# KiCad board B1_panel.kicad_pcb (continued)
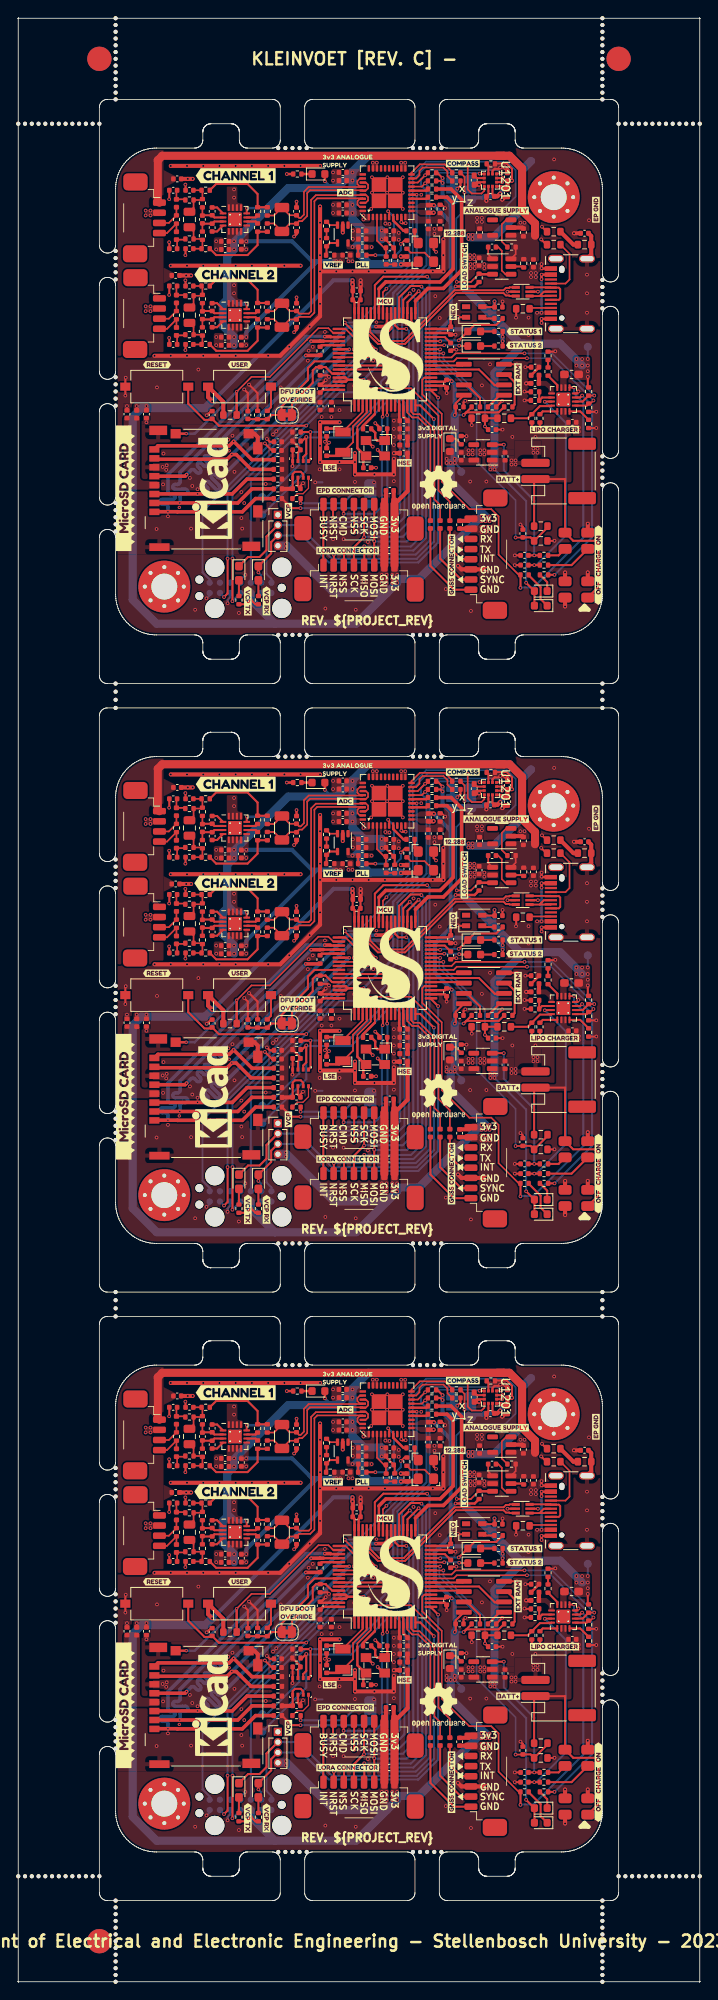
[diagram p0: board, top side]
## Routing (per net, layer and track width the routed paths; a pad name or vN(x,y) marks a point on that pad's centre or on a via; arc(x,y) is an arc through that point) (continued)
Board1_0-/ADC_Interface/ADC_PORT_1_SIG_P: length 2.3
  Top w0.2: C501.1 19.5,220.72 FB501.2 20.5,219.69 R702.2
Board1_0-/ADC_Interface/ADC_PORT_2_SIG_N: length 2.3
  Top w0.2: R801#2.2 20.5,202.91 FB602#2.2 19.58,202.84 C602#3.2
Board1_0-/ADC_Interface/ADC_PORT_2_SIG_P: length 2.3
  Top w0.2: R802.2 20.5,207.88 FB601#3.2 19.5,208.92 C601#2.1
Board1_0-/ADC_Interface/ADC_~{RST}: length 9.2
  Top w0.2: v1(45.59,218.21) 45.72,218.09 U401#2.6
  Top w0.25: R413.1 v1(44.02,212.8)
  Bottom w0.25: v1(45.59,218.21) 46.3,217.5 46.3,213.9 45.2,212.8 v1(44.02,212.8)
Board1_0-/ADC_Interface/BCLK: length 2.1
  Top w0.3: U401#2.16 48.47,220.75 50.29,220.75 R409#3.2
Board1_0-/ADC_Interface/CLK: length 2.6
  Top w0.3: U401#2.7 46.22,217.07 47.48,215.8 R405#3.1
Board1_0-/ADC_Interface/CLK_12.288: length 1.7
  Top w0.3: X401#2.3 48.86,214.74 R405#3.2
Board1_0-/ADC_Interface/FB: length 1.5
  Top w0.2: U402.3 38.41,216.5 R401.2
Board1_0-/ADC_Interface/FB_MID: length 1
  Top w0.2: R401.1 R402.2
Board1_0-/ADC_Interface/PLL: length 5.5
  Top w0.2: C413.1 45.32,212.66 C414.1 45.11,213.7 44.22,214.59 U401#2.3
Board1_0-/ADC_Interface/PLL_MID: length 1.1
  Top w0.2: C413.2 46.37,211.67 R414.1
Board1_0-/ADC_Interface/SDATA: length 2.1
  Top w0.3: R411#3.2 50.29,219.75 48.47,219.75 U401#2.14
Board1_0-/ADC_Interface/Sensor_Conn_1/SIG_CONN_N: length 3.6
  Top w0.2: FB502.1 R501.2 18.34,215.53 J501#3.1
Board1_0-/ADC_Interface/Sensor_Conn_1/SIG_CONN_P: length 3.5
  Top w0.2: FB501.1 R501.1 18.56,216.78 J501#3.2
Board1_0-/ADC_Interface/Sensor_Conn_2/SIG_CONN_N: length 3.6
  Top w0.2: FB602#2.1 R601.2 18.34,203.72 J601#2.1
Board1_0-/ADC_Interface/Sensor_Conn_2/SIG_CONN_P: length 3.5
  Top w0.2: FB601#3.1 R601.1 18.56,204.97 J601#2.2
Board1_0-/ADC_Interface/VCM: length 27.4
  Bottom w0.5: v1(28.1,214.51) 33.74,214.51 36.2,212.05 v1(39.2,212.05) 36.85,212.05 28.1,203.3 v1(28.1,202.71)
  vias: v1(39.7,212.05)
Board1_0-/ADC_Interface/VREF_BUFF: length 2.6
  Top w0.25: U402.4 38.41,214.3 R402.1 38,212.86 R406#3.2
Board1_0-/ADC_SAI_BCLK: length 21.2
  Top w0.3: U101#3.33 48.95,207.15
  Top w0.44: R409#3.1 53.35,220.95 54.65,219.65 54.65,210.95 52.4,208.7 50.5,208.7 48.95,207.15
Board1_0-/ADC_SAI_FS: length 30.5
  Top w0.3: 40.6,197.45 40.36,197.21 U101#3.62 ; 40.6,197.45 40.34,197.71 U101#3.61 ; 40.6,197.45 42.54,197.45 v2(42.57,197.47) ; U401#2.15 v2(49.12,220.25)
  Bottom w0.3: v2(42.57,197.47) 42.57,197.48 46.2,201.11 46.2,208.11 49.1,211.01 49.1,220.22 v2(49.12,220.25)
Board1_0-/ADC_SAI_SD_B: length 23.7
  Top w0.3: 44.45,208.65 U101#3.42
  Top w0.44: 44.45,208.65 45.3,209.5 52,209.5 53.6,211.1 53.6,219.2 52.85,219.95 R411#3.1
Board1_0-/BATT_~{CHG}: length 63.4
  Top w0.2: U101#3.20 50.06,197.71 49.8,197.45 49.8,195.65 52.2,193.25 52.2,184.9 55.6,181.5 58.3,181.5 59.2,180.6 59.2,175.89 61.69,173.4 R908#3.1
  Top w0.25: U901#3.9 67.97,196.5 v1(68.5,196.5) ; R908#3.1 61.9,173.4 v1(61.9,171.8)
  Bottom w0.25: v1(61.9,171.8) 61.95,171.85 63.5,171.85 69.65,178 69.65,194.61 68.5,195.76 v1(68.5,196.5)
Board1_0-/BOOT0: length 10.3
  Top w0.25: U101#3.60 38.68,198.21 37.9,198.99 37.9,199 37.89,199.01 R101.1 36.71,199.01 36.3,198.6 36.3,197.08 33.75,194.53 JP101.1
Board1_0-/CHARGE_EN1: length 25.1
  Top w0.2: v1(71,195.5) 70.31,195.5 R912.1 ; U101#3.25 50.88,200.2 53.41,200.2 53.91,200.7 v1(62.4,200.7)
  Top w0.25: R912.1 69.57,194.76 U901#3.6
  Bottom w0.2: v1(62.4,200.7) 65.8,200.7 v1(71,195.5)
Board1_0-/CHARGE_EN2: length 24.8
  Top w0.2: U101#3.24 53.67,199.71 54.06,200.1 v1(62.7,200.1) ; v1(70.9,194.89) 70.52,194.51 R917#3.1
  Top w0.25: R917#3.1 70.05,194.26 U901#3.5
  Bottom w0.2: v1(70.9,194.89) 65.69,200.1 v1(62.7,200.1)
Board1_0-/CompassMagnetometer/CHARGE_PUMP: length 1.4
  Top w0.25: U1201.5 56.52,222.3 C1201#3.2
Board1_0-/CompassMagnetometer/~{CS}: length 1.3
  Top w0.25: R1201.2 57.95,223.84 U1201.3
Board1_0-/CONN_MISO: length 43.6
  Top w0.25: v1(42.65,176.92) 42.65,174.62 J205#2.4 ; v1(49.35,208.36) 47.97,206.99 47.97,205.66 U101#3.35
  Bottom w0.25: v1(49.35,208.36) 49.8,207.91 49.8,178.3 48.4,176.9 42.67,176.9 v1(42.65,176.92)
Board1_0-/CONN_MOSI: length 45.9
  Top w0.25: v1(48.26,208.09) 47.45,207.28 U101#3.36 ; J207.3 v1(43.88,177.55) J205#2.3
  Bottom w0.25: v1(48.26,208.09) 49.25,207.1 49.25,178.85 47.9,177.5 43.93,177.5 v1(43.88,177.55)
Board1_0-/CONN_SCK: length 41
  Top w0.25: J205#2.5 41.38,176.8 v1(42.62,178.05) J207.4 ; v1(48.45,204.5) U101#3.34
  Bottom w0.25: v1(42.62,178.05) 42.68,178.1 47.4,178.1 48.7,179.4 48.7,204.25 v1(48.45,204.5)
Board1_0-/Connectors/SDIO_CLK_TERM: length 32.5
  Top w0.44: v2(35.45,200.45) 37.16,200.45 R207#3.1 ; v2(20.75,185.75) 20.56,185.56 J204#2.5
  Bottom w0.44: v2(20.75,185.75) 21.3,186.3 arc(21.51,186.39) 21.72,186.3 22.01,186.02 arc(22.22,185.93) 22.43,186.02 arc(22.52,186.23) 22.43,186.44 22.15,186.72 arc(22.06,186.94) 22.15,187.15 arc(22.36,187.24) 22.57,187.15 22.86,186.87 arc(23.07,186.78) 23.28,186.87 arc(23.37,187.08) 23.28,187.29 23,187.57 arc(22.91,187.78) 23,188 arc(23.21,188.08) 23.42,188 23.7,187.71 arc(23.92,187.63) 24.13,187.71 arc(24.22,187.93) 24.13,188.14 23.85,188.42 arc(23.76,188.63) 23.85,188.85 arc(24.06,188.93) 24.27,188.85 24.55,188.56 arc(24.76,188.47) 24.98,188.56 arc(25.06,188.77) 24.98,188.99 24.69,189.27 arc(24.61,189.48) 24.69,189.69 v2(35.45,200.45)
Board1_0-/Connectors/USB_CC1: length 2.7
  Top w0.2: J206#3.A5 63.12,206.3 R209#2.2
Board1_0-/Connectors/USB_CC2: length 7.3
  Top w0.2: J206#3.B5 67.45,209.3 67.95,209.8 67.95,212.97 R208#3.2
Board1_0-/Connectors/USB_CONN_D+: length 4.3
  Top w0.23: J206#3.B6 64.79,208.3 64.25,207.76 ; J206#3.A6 65.61,207.76 64.25,207.76 ; 64.25,207.76 U201#2.4
Board1_0-/Connectors/USB_CONN_D-: length 6.2
  Top w0.23: J206#3.B7 66.63,207.3 66.8,207.47 66.8,208.63 66.63,208.8 J206#3.A7 65.61,208.84 U201#2.6
Board1_0-/EnviromentalSensor/I2C_ADDR: length 3.8
  Top w0.15: U1401.5 35.78,184.07 35.09,183.39 34.38,183.39 R1403#2.1
Board1_0-/EnviromentalSensor/I2C_ADDR_SEL: length 9.7
  Top w0.25: R1403#2.2 34.81,182.24 v1(34.8,182.22)
  Bottom w0.25: JP1401#2.2 41.21,183.4 40.03,182.22 v1(34.8,182.22)
Board1_0-/EPD_BUSY: length 28.4
  Top w0.25: J207.8 37.6,182.07 v1(37.6,179.9) ; v1(45.95,195.55) U101#3.10
  Bottom w0.25: v1(45.95,195.55) 47.07,194.43 47.07,181.07 45.9,179.9 v1(37.6,179.9)
Board1_0-/EPD_~{CMD}: length 18.8
  Top w0.25: U101#3.8 44.95,192.93 v1(44.91,192.89) ; J207.6 40.1,182.07 v1(40.1,180.92)
  Bottom w0.25: v1(44.91,192.89) 44.82,192.8 44.82,181.82 43.92,180.92 v1(40.1,180.92)
Board1_0-/EPD_~{RST}: length 21.7
  Top w0.25: J207.7 38.8,182.03 v1(38.8,180.42) ; U101#3.9 45.45,193.12 v1(45.47,193.1)
  Bottom w0.25: v1(45.47,193.1) 45.5,193.07 45.5,181.4 44.5,180.4 38.82,180.4 v1(38.8,180.42)
Board1_0-/EPD_~{SS}: length 37.8
  Top w0.25: v1(41.4,178.6) 41.4,182.07 J207.5 ; U101#3.38 46.45,204.15 46.88,203.72 v1(47.83,203.72)
  Bottom w0.25: v1(41.4,178.6) 46.8,178.6 48.15,179.95 48.15,203.45 47.88,203.72 v1(47.83,203.72)
Board1_0-/GNSS_Module/GPS_RX: length 8.6
  Top w0.25: J301.7 54.57,172.82 52,175.4 FB102.1
Board1_0-/GNSS_Module/GPS_TX: length 10.8
  Top w0.25: J301.8 53.72,171.57 50.8,174.5 FB101#3.1
Board1_0-/GPS_RX: length 16.1
  Top w0.2: U101#3.15 48.45,193.48 48.73,193.2 49.47,193.2 51.3,191.37 51.3,182.7 52,182 FB102.2
Board1_0-/GPS_SYNC: length 26.4
  Top w0.2: FB304.1 53.2,182.4 51.8,183.8 51.8,193 48.4,196.4 42.7,196.4 41.95,195.65 U101#3.2
Board1_0-/GPS_TX: length 15.8
  Top w0.2: FB101#3.2 50.8,191.3 49.3,192.8 48.56,192.8 47.95,193.41 U101#3.14
Board1_0-/I2C1_SCL: length 75.1
  Top w0.2: v1(59.52,222.86) 59,222.86 U1201.1 ; v1(50.15,222.65) 49.25,221.75 U401#2.18
  Top w0.25: R1402#2.1 v1(36,191) 36.03,190.97 36.03,187.68 35.78,187.43 ; U101#3.58 45.23,199.21 v1(45.25,199.23)
  Bottom w0.2: v1(59.52,222.86) 59.08,223.3 50.8,223.3 v1(50.15,222.65)
  Bottom w0.25: TP407#2.1 30.65,182.97 34.65,186.98 34.65,190.29 35.36,191 v1(36,191) 40.7,191 44.7,195 44.7,197.2 45.25,197.75 v1(45.25,199.23) 45.28,199.23 46.75,200.7 46.75,207.99 50.32,211.56 50.32,220.74 49.63,221.44 49.63,222.13 v1(50.15,222.65)
Board1_0-/I2C1_SDA: length 73.7
  Top w0.2: U401#2.17 49.75,221.25 v1(50.15,221.66) 50.45,221.95 R412.1
  Top w0.25: 35.12,187.43 35.12,187.93 35.5,188.3 v1(35.5,190.4) 35,189.9 R1401#3.1 ; U101#3.59 46.01,198.71 v1(46.05,198.75) ; v1(56.86,222.85) 56.9,222.81 U1201.4
  Bottom w0.2: v1(56.86,222.85) 56.76,222.95 51.44,222.95 v1(50.15,221.66)
  Bottom w0.25: TP406#2.1 35.5,186.25 v1(35.5,190.4) 35.57,190.32 41.03,190.32 45.43,194.72 45.43,196.78 46.05,197.4 v1(46.05,198.75) 47.3,200 47.3,207.9 50.7,211.3 50.7,221.11 v1(50.15,221.66)
Board1_0-/I_CHARGE: length 15.8
  Top w0.2: U101#3.26 50.9,200.68 52.38,200.68 v1(52.4,200.7)
  Top w0.25: CB907#2.1 v1(57.53,191.69) R916#2.1 R915#2.2
  Bottom w0.2: v1(52.4,200.7) 52.4,199.99 57.53,194.87 v1(57.53,191.69)
Board1_0-/LED_STATUS_B: length 10
  Top w0.2: v1(52,202.18) 51.98,202.21 U101#3.29
  Top w0.25: v1(54.3,202.3) 55.4,203.4 D103#3.1 56.21,204.2 58.91,204.2 R104.2
  Bottom w0.25: v1(54.3,202.3) 52.12,202.3 v1(52,202.18)
Board1_0-/LED_STATUS_O: length 4.6
  Top w0.2: U101#3.28 50.9,201.68 52.48,201.68 v1(52.5,201.7)
  Top w0.25: D104#2.1 54.4,201.6 v1(54.35,201.65)
  Bottom w0.25: v1(52.5,201.7) 54.3,201.7 v1(54.35,201.65)
Board1_0-/LORA_INT: length 31.9
  Top w0.25: U101#3.11 46.45,195.12 46.76,195.43 v1(46.76,195.48) ; J205#2.8 37.6,174.62 v1(37.6,179.3)
  Bottom w0.25: v1(37.6,179.3) 46.4,179.3 47.6,180.5 47.6,194.64 v1(46.76,195.48)
Board1_0-/LORA_~{RST}: length 56.8
  Top w0.25: v1(38.9,175.9) 38.9,174.62 J205#2.7 ; v1(50.4,210.15) 45,210.15 43.95,209.1 U101#3.43
  Bottom w0.25: v1(38.9,175.9) 49,175.9 50.7,177.6 50.7,209.85 v1(50.4,210.15)
Board1_0-/LORA_~{SS}: length 49.1
  Top w0.25: U101#3.37 46.95,207.6 48.35,209 49.63,209 v1(49.7,208.93) ; J205#2.6 40.15,174.62 v1(40.15,176.42)
  Bottom w0.25: v1(40.15,176.42) 40.17,176.4 48.7,176.4 50.25,177.95 50.25,208.38 v1(49.7,208.93)
Board1_0-/MAG_INT: length 44.9
  Top w0.2: U101#3.56 43.11,200.21 43.58,200.68 43.58,201.13 43.29,201.42 43.28,201.42 40.25,204.45 v1(40.25,204.5) ; U1201.7 57.45,220.75 57.1,220.4 55.9,220.4 55.4,220.9 v1(55.4,223.87)
  Bottom w0.2: v1(40.25,204.5) 41.93,204.5 48.62,211.2 48.62,222.07 50.45,223.9 55.37,223.9 v1(55.4,223.87)
Board1_0-/OSC_HSE_IN: length 9
  Top w0.2: U101#3.5 43.45,193.35 41.8,191.7 41.8,191.3
  Top w0.3: C102#2.1 42.53,187.72 Y101#3.1
  Top w0.306: Y101#3.1 42.76,188.05 41.8,189.01 41.8,191.3
Board1_0-/OSC_HSE_OUT: length 3.5
  Top w0.2: U101#3.6 43.95,193.2
  Top w0.306: 43.95,193.2 43.94,193.2 42.49,191.75 R106#3.2
Board1_0-/OSC_LSE_IN: length 6.5
  Top w0.2: U101#3.3 42.45,193.48 40.01,191.04 Y102.2
  Top w0.306: Y102.2 39.58,191.43 C106#2.1
Board1_0-/OSC_LSE_OUT: length 9.2
  Top w0.2: Y102.1 41.26,189.75 41.26,191.72 42.95,193.41 U101#3.4
  Top w0.306: Y102.1 39.58,188.07 C105#2.1
Board1_0-/Power/C_{T}: length 4.7
  Top w0.2: C912#2.1 59.15,213.8 59.6,213.35 59.6,210.9 60.05,210.45 U904#3.4
Board1_0-/Power/DPWR_SW: length 2.4
  Top w0.25: SW901#2.7 66.6,175.8 R911#2.2
Board1_0-/Power/ILIM: length 1.9
  Top w0.25: U901#3.12 66.44,196.8 R902#2.1
Board1_0-/Power/ISET: length 5.7
  Top w0.25: U901#3.16 65.67,194.2 64.3,194.2 R901#3.1 62.8,192.7 R915#2.1
Board1_0-/Power/PWR_SW: length 5.7
  Top w0.25: R910.1 68.2,174.6 SW901#2.3
Board1_0-/Power/SYSOFF: length 25.2
  Top w0.25: U901#3.15 64.92,194.76 v1(64.9,194.73) ; CB903#2.1 v1(63.6,174.6) R910.2
  Bottom w0.25: v1(64.9,194.73) 67.5,192.13 67.5,178.26 63.84,174.6 v1(63.6,174.6)
Board1_0-/Power/TEMP_SENS: length 2.3
  Top w0.25: U901#3.1 64.65,193.55 R909#2.1
Board1_0-/Power/TMR: length 2.7
  Top w0.25: U901#3.14 64.57,195.26 R906#2.1 R904#3.1
Board1_0-/Power/~{CE}: length 2.8
  Top w0.25: R907#2.1 69.26,193.55 U901#3.4
Board1_0-/Power/~{PGOOD}: length 26.2
  Top w0.25: U901#3.7 69.26,195.26 v1(69.5,195.5) ; v1(66.1,173.4) R905#2.1
  Bottom w0.25: v1(69.5,195.5) 70.72,194.28 70.72,178.03 v1(66.1,173.4)
Board1_0-/SDIO_CD: length 28.6
  Top w0.2: U101#3.50 38.82,203.21 38.23,203.8 36.99,203.8 35.56,202.37 35.56,202.36 31,197.8 28.75,197.8 v2(26.93,195.97)
  Top w0.306: v2(20.7,190.8) J204#2.10 ; v2(26.93,195.97) R206#3.2
  Bottom w0.306: v2(20.7,190.8) 21.75,190.8 v2(26.93,195.97)
Board1_0-/SDIO_CLK: length 2.4
  Top w0.3: R207#3.2 37.4,201.71 U101#3.53
Board1_0-/SDIO_CMD: length 47.5
  Top w0.3: 40.79,201.21 U101#3.54
  Top w0.44: R203#2.1 28.2,185.2 26.38,183.38 v2(22.1,183.38) 16.8,183.38 J204#2.3
  Bottom w0.44: v2(22.1,183.38) 22.98,183.38 23.32,183.72 arc(23.41,183.94) 23.32,184.15 23.04,184.43 arc(22.95,184.64) 23.04,184.86 arc(23.25,184.94) 23.47,184.86 24.35,183.97 arc(24.56,183.88) 24.77,183.97 arc(24.86,184.18) 24.77,184.4 23.89,185.28 arc(23.8,185.49) 23.89,185.7 arc(24.1,185.79) 24.31,185.7 24.6,185.42 arc(24.81,185.33) 25.02,185.42 40.78,201.18 40.78,201.2
  vias: v2(40.8,201.2)
Board1_0-/SDIO_D0: length 43.6
  Top w0.3: 45.95,203.85 U101#3.39
  Top w0.44: R204.1 28.7,186.4 26.88,188.22 v2(26.32,188.22) 25.75,187.65 16.88,187.65 J204#2.7 ; v2(45.45,203.35) 45.95,203.85
  Bottom w0.44: v2(45.45,203.35) 41.45,203.35 v2(26.32,188.22)
Board1_0-/SDIO_D1: length 42.3
  Top w0.3: U101#3.40 45.45,204.3
  Top w0.44: 45.45,204.3 45.15,204 v2(44.1,204) ; R205#2.1 28.8,187.6 v2(26.55,189.85) 26,189.3 17.22,189.3 J204#2.8
  Bottom w0.44: v2(44.1,204) 40.7,204 v2(26.55,189.85)
Board1_0-/SDIO_D2: length 51.2
  Top w0.3: 38.47,202.77 38.53,202.71 U101#3.51
  Top w0.44: J204#2.1 16.8,181.18 v2(18.45,181.18) 19.61,181.18 19.62,181.17 27.62,181.17 29.25,182.8 R201#2.1 ; v2(37.79,202.77) 38.47,202.77
  Bottom w0.44: v2(37.79,202.77) 35.47,202.77 18.45,185.75 18.45,183.6 arc(18.54,183.39) 18.75,183.3 19.05,183.3 arc(19.26,183.21) 19.35,183 arc(19.26,182.79) 19.05,182.7 17.75,182.7 arc(17.54,182.61) 17.45,182.4 arc(17.54,182.19) 17.75,182.1 18.15,182.1 arc(18.36,182.01) 18.45,181.8 v2(18.45,181.18)
Board1_0-/SDIO_D3: length 48.4
  Top w0.3: 37.6,202.21 U101#3.52
  Top w0.44: J204#2.2 v2(19.91,182.26) 27.06,182.26 28.8,184 R202#2.1 ; v2(36.1,202.2) 37.19,202.2 37.19,202.21 37.6,202.21
  Bottom w0.44: v2(19.91,182.26) 19.95,182.3 19.95,183.05 arc(20.04,183.26) 20.25,183.35 20.6,183.35 arc(20.81,183.44) 20.9,183.65 arc(20.81,183.86) 20.6,183.95 19.35,183.95 arc(19.14,184.04) 19.05,184.25 arc(19.14,184.46) 19.35,184.55 19.65,184.55 arc(19.86,184.64) 19.95,184.85 19.95,186.05 v2(36.1,202.2)
Board1_0-/SRAM_MISO: length 9.8
  Top w0.25: 59.88,196.76 58.74,196.76 56.79,198.71 53.9,198.71 53.9,198.71 U101#3.22
Board1_0-/SRAM_MOSI: length 4.1
  Top w0.25: U101#3.23 54.78,199.21 U1301#3.5
Board1_0-/SRAM_SCK: length 4.1
  Top w0.25: U101#3.21 54.8,198.21 U1301#3.6
Board1_0-/SWCLK: length 43
  Top w0.2: v1(43.08,200.92) 43.08,200.97 40.34,203.71 U101#3.49
  Top w0.25: v1(25.8,175.4) 25.8,171.1 v1(25.36,170.66)
  Bottom w0.25: v1(25.36,170.66) J202#2.6 ; v1(43.08,200.92) 43.08,200.88 25.8,183.6 v1(25.8,175.4)
Board1_0-/SWDIO: length 44.9
  Top w0.2: U101#3.46 42.45,202.82 43.44,201.82 43.45,201.82 44.08,201.2 v1(44.08,201.18)
  Top w0.25: v1(26.4,170.15) v1(26.4,175.4)
  Bottom w0.25: v1(26.4,170.15) 26.4,170.17 J202#2.4 ; v1(26.4,175.4) 26.4,183.5 v1(44.08,201.18)
Board1_0-/SWO: length 39.4
  Top w0.2: U101#3.55 39.53,200.7 42.16,200.7 v1(42.18,200.72)
  Bottom w0.25: J202#2.8 23.59,172.84 22.71,173.71 22.71,181.21 42.18,200.68 v1(42.18,200.72)
Board1_0-/USB_DN: length 23.5
  Top w0.23: 61.32,208.84 60.57,208.84 60.5,208.77 60.11,208.77 59.82,208.48 53.78,208.48 47.53,202.23 44.47,202.23 43.38,203.32 43.38,204.4 43.45,204.47 U101#3.44
Board1_0-/USB_DP: length 24.1
  Top w0.23: 61.32,207.76 60.57,207.76 60.5,207.83 60.11,207.83 59.82,208.12 53.92,208.12 47.67,201.87 44.33,201.87 43.02,203.18 43.02,204.4 42.95,204.47 U101#3.45
Board1_0-/USR_BTN: length 15.7
  Top w0.25: CB107#3.2 28.33,192.59 R1#3.2 R108#3.1 31.21,193.1 JP101.2 32.45,194.15 35.7,197.4 35.7,198.9 36.51,199.71 U101#3.57
Board1_0-/V_MONITOR: length 33.2
  Top w0.2: v1(61.3,178) 62.18,178 CB906.1 ; U101#3.27 51.98,201.21 v1(52,201.18)
  Top w0.25: R913#3.2 65.23,179.24 R914#2.1 63.15,178.02 CB906.1
  Bottom w0.2: v1(61.3,178) 61.3,182.59 56.5,187.39 56.5,195.33 51.9,199.93 51.9,201.08 v1(52,201.18)
Board1_0-/VCAP: length 2.7
  Top w0.25: C101#2.1 52.57,202.71 U101#3.30
Board1_0-/VCP_RX: length 48.3
  Top w0.25: J203#2.3 31.18,177.44 31.18,176.05 D101#2.1 v1(29.6,173.7) ; v1(51.75,195.25) 50.88,196.12 U101#3.17
  Bottom w0.25: J203#2.3 34.94,178.26 38.28,174.93 49.3,174.93 51.75,177.38 v1(51.75,195.25) ; v1(29.6,173.7) 29.94,173.36 J202#2.13
Board1_0-/VCP_TX: length 55.7
  Top w0.25: v1(51.22,192.6) 49.54,194.28 U101#3.16 ; J203#2.2 30.6,178.13 30.6,176.46 29.74,175.6 28.32,175.6 D102.1
  Bottom w0.25: J202#2.14 31.21,172.9 30.6,173.51 30.6,178.13 J203#2.2 34.53,179.53 38.68,175.38 49.11,175.38 51.22,177.49 v1(51.22,192.6)
Board1_0-/~{RST}: length 52
  Top w0.25: v1(43.85,195.9) 44.45,195.3 U101#3.7 ; SW101#2.1 20.95,194.5 22.95,192.5 23.78,192.5 CB102#3.1 24.74,191.78 35.48,191.78 v1(35.5,191.8)
  Bottom w0.25: v1(43.85,195.9) 39.6,195.9 v1(35.5,191.8) 28.67,184.97 J202#2.12
Board1_0-Earth: length 3.5
  Top w0.5: C203#3.1 70.62,215.16 R211.2 70.62,212.9 J206#3.S1
  vias: v1(70.1,210.4) v1(70.1,208.1) v1(70.1,205.7)
Board1_0-GND: length 293.5
  Top w0.2: v1(52.63,218.6) 52.22,219.01 R403#3.2
  Top w0.25: R917#3.2 71.24,193.49 v1(71.25,193.5) ; C204#3.2 31.27,188.73 v1(30.4,189.6) ; C502.1 18.62,214.38 v1(18.6,214.4) ; CB1410#3.2 33.82,187.43 33.82,187.43 33.82,186.82 v1(33.8,186.8) ; v1(20.6,221.5) 20.62,221.48 C702#2.2 ; CB1202#3.2 57.95,220.28 U1201.8 ; R916#2.2 55.88,191.88 v1(55.9,191.85) ; R210.1 65.15,215.7 v1(64.55,216.3) ; R1303.2 58.91,194.11 v1(59.65,194.85) ; C801#3.2 20.62,201.12 v1(20.6,201.1) ; v1(66.1,177.6) 66.09,177.59 R914#2.2 ; v1(30.65,190.15) 31,189.8 CB201#2.2 ; v1(59.64,221.8) U1201.11 ; v1(13.2,195.5) SW101#2.2 13.2,197.65 v1(13.25,197.7) ; R901#3.2 v1(63.3,191.5) ; R903#3.2 66.16,200.91 v1(66.2,200.95) ; v1(61.35,205.1) 61.38,205.12 R209#2.1 ; v1(55.1,194.85) 54.88,194.63 CB1301#3.2 ; v1(38.3,197.8) 38.11,197.99 R101.2 ; CB102#3.2 23.75,193.58 v1(23.23,193.07) ; CB906.2 62.2,179.3 v1(61.9,179.6) ; U1401.7 34.47,184.33 CB1409.2 34.78,184.38 v1(35.1,184.7) ; C107#3.2 42.18,208.38 CB105#3.2 ; C602#3.1 18.62,202.58 v1(18.6,202.6) ; R208#3.1 65.1,214.1 v1(64.45,214.75) ; v1(59.68,222.31) 59.67,222.3 U1201.12 ; v1(62.4,196) 62.44,195.96 R904#3.2 ; CB107#3.1 28.3,195.8 v1(27.85,196.25) ; C1201#3.1 56.52,221.8 U1201.6 ; CB108#2.2 59.68,207.08 v1(59.7,207.1) ; v1(55.25,190.5) 55.24,190.51 R919#3.1 ; U901#3.8 68.81,195.76 v1(69.05,196) ; C907.2 56.72,211.52 ; D105#2.2 54.25,205.15 v1(54.2,205.2) ; CB904.2 v1(61.2,175.8) ; C601#2.2 18.62,207.92 v1(18.6,207.9) ; U1201.2 58.45,223.18 58.72,223.45 59.25,223.45 v1(59.41,223.61) 59.98,223.61 v1(59.99,223.6) ; v1(54,201.15) 53.43,201.15 C101#2.2 ; v1(71.25,191.5) 71.24,191.49 R907#2.2 ; R906#2.2 v1(62.4,194.9) ; R909#2.2 v1(64.3,191.45) ; R1#3.1 29.5,195.8 v1(28.44,196.86) ; U201#2.2 v1(60.3,208.3) ; v1(37.8,189.8) 38.01,190.01 C106#2.2 ; X401#2.2 51.2,213.5 v1(51.5,213.2) ; CB903#2.2 v1(61.2,174.6) ; C105#2.2 38.01,189.41 v1(38.3,189.7) ; CB907#2.2 v1(59.7,191.3) ; C501.2 18.62,219.72 v1(18.6,219.7) ; v1(20.6,212.8) 20.62,212.82 C701#3.2 ; v1(61.45,199.35) 61.44,199.35 U1301#3.4 ; C904#3.2 v1(62.5,199) ; C802#2.2 20.62,209.68 v1(20.6,209.7)
  Top w0.3: C104#3.2 44.52,191.58 v1(44,192.1) ; J206#3.A12 64.55,211.15 v1(64.5,211.2) v1(64.5,211.7) ; v1(34,215.1) 34.3,215.4 C709.1 ; v1(34,203.3) 34.3,203.6 C809#2.1 ; Y101#3.2 45.05,188.05 v1(44.3,188.8) ; v1(34.8,211.5) v1(32.8,211.5) v1(30.8,211.5) v1(28.8,211.5) v1(26.8,211.5) v1(24.8,211.5) v1(22.8,211.5) v1(20.8,211.5) v1(18.8,211.5) ; U101#3.12 46.95,192.47 CB902#2.2 ; v1(47.75,216.75) 47.35,216.75 v1(47.22,216.88) U401#2.9 ; CB105#3.2 41.95,207.07 U101#3.47 ; U101#3.18 52.56,196.71 CB104#2.2 v1(52.8,195.8) ; J206#3.A1 v1(64.5,204.95) v1(64.5,204.45) ; C711#3.2 v1(34.3,219.4) ; v1(52.4,214.75) v1(52.4,212.8) v1(52.4,210.8) v1(51.1,210.8) v1(45.2,210.8) v1(43.2,210.8) v1(41.2,210.8) v1(39.2,210.8) v1(37.2,210.8) v1(37.2,212.8) v1(37.2,214.8) v1(37.2,216.8) v1(37.2,218.8) ; C811#3.2 v1(34.3,207.6) ; v1(43.7,189.2) 42.95,189.95 Y101#3.4 ; v1(18.8,223.8) v1(20.8,223.8) v1(22.8,223.8) v1(24.8,223.8) v1(26.8,223.8) v1(28.8,223.8) v1(30.8,223.8) v1(32.8,223.8) v1(34.8,223.8) v1(37.2,223.8) ; v1(53.9,203) 53.88,203.02 CB101#3.2 53.11,203.21 U101#3.31 ; R918#3.1 v1(33.1,222.8) ; v1(37.9,197.4) 37.33,196.83 CB103#2.2 37.33,196.71 U101#3.63 ; C102#2.2 v1(44.1,186.6)
  Top w0.5: J301.2 55.78,179.1 C306#3.2 ; CB1202#3.2 57.7,220.03 v1(57.7,219.5) ; v1(56.8,221.5) 56.78,221.48 C1201#3.1 ; v1(21.3,210.3) v1(20.7,210.3) C416#2.2 ; C107#3.2 v1(42.2,209.2) v1(42.2,209.7) ; 41.5,187.4 v1(41.5,188.4) ; C901#2.2 v1(46.3,188.4) ; v1(54.2,174.5) 54.62,174.07 J301.6 57.68,174.07 v1(57.7,174.1) ; v1(37.2,210.8) v1(52.4,210.8) v1(52.4,214.75) ; v1(37.2,210.8) v1(37.2,208.9) v1(37.2,206.8) 37.2,205.28 v1(35.92,204) 33.43,201.51 v1(33.4,201.51) 32.29,200.4 v1(30.8,200.4) v1(26.8,200.4) v1(24.8,200.4) v1(22.8,200.4) v1(20.8,200.4) v1(18.8,200.4) v1(16.8,200.4) ; v1(37.2,210.8) v1(37.2,218.8) ; C905#3.2 62.14,216.2 U903.2 ; C1202#3.2 60.3,223.29 v1(59.99,223.6) ; CB1201.2 59.97,219.97 v1(59.65,219.65) ; v1(46.3,187.7) v1(46.3,185.8) 46.28,185.78 v1(43.9,185.78) 41.53,185.78 v1(41.5,185.8) v1(41.5,187.3) v1(39.6,187.3) v1(37.2,187.3) v1(37.2,189.3) v1(37.2,192.2) v1(39.6,192.2) ; SW901#2.4 v1(70.2,179.7) ; SW901#2.2 v1(70.2,173.7) ; J204#2.9 29.1,190.8 29.53,190.38 J204#2.11 ; SW901#2.6 v1(67.4,173.7) ; v1(47.15,212.65) 47.17,212.63 CB401#2.2 ; J207.2 45.32,182.3 C205#3.2 ; v1(18.8,211.5) v1(34.8,211.5) ; C417#2.2 v1(20.9,222.2) v1(21.5,222.2) ; C203#3.2 v1(68.5,215.5) ; SW901#2.5 v1(67.4,169.5) ; C408.2 51.17,218.02 v1(51.2,218.05) ; v1(18.8,223.8) v1(37.2,223.8) ; C908.2 v1(62.6,197) ; U402.2 v1(40,215.6)
  Top w1: J207.2 J205#2.2
  Bottom w0.25: J202#2.11 27.4,172.8 v1(28,173.4) ; 55.54,222.6 55.35,222.6 55.2,222.45 ; v1(25.8,169.9) 25.8,170.29 26.13,170.62 J202#2.5 ; v1(23.2,170.5) 23.59,170.89 J202#2.7 ; 37.5,184.8 v1(36.6,184.8)
  vias: v1(13.4,194.2) v1(15.7,218.3) v1(15.7,217.7) v1(15.7,206.5) v1(15.7,205.9) v1(15.8,192.2) v1(16.3,218.3) v1(16.3,217.7) v1(16.3,206.5) v1(16.3,205.9) v1(17.1,196.5) v1(17.05,179.05) v1(17.8,186.7) v1(17.85,184.55) v1(17.9,188.35) v1(18.24,186.35) v1(18.3,186.9) v1(18.45,180.61) v1(21.16,185.35) v1(21.3,179.1) v1(21.45,184.35) v1(21.8,169.1) v1(22.1,183.95) v1(22.2,198.7) v1(24.4,214.51) v1(24.4,213.51) v1(24.4,202.71) v1(24.4,201.71) v1(25.9,190.05) v1(26.4,190.55) v1(26.6,220.9) v1(26.6,219.9) v1(26.6,209.1) v1(26.6,208.1) v1(26.65,186.1) v1(27.2,168.7) v1(27.5,183.6) v1(27.5,180.4) v1(27.6,179.1) v1(27.85,182.25) v1(28.1,213.51) v1(28.1,201.71) v1(30.5,184.6) v1(32.35,196.5) v1(35.7,199.8) v1(35.8,201.02) v1(36.3,201.5) v1(37.15,186.4) v1(37.4,192.85) v1(37.8,203.34) v1(37.85,169.25) v1(38.6,192.85) v1(38.8,223) v1(38.8,222) v1(38.8,219) v1(38.8,218) v1(38.8,177.8) v1(39.6,193.7) v1(39.6,186.4) v1(40.1,177.8) v1(40.15,172.6) v1(40.7,212.05) v1(41.25,215.8) v1(41.25,214.8) v1(41.2,212.05) v1(41.35,201.19) v1(41.4,196.7) v1(41.5,184.85) v1(41.6,169.1) v1(42.55,217.7) v1(42.55,217.2) v1(42.6,172.55) v1(43.1,177.45) v1(43.17,197.27) v1(43.5,218.5) v1(43.6,222.4) v1(43.6,220.5) v1(43.55,213.8) v1(43.7,224.2) v1(43.75,199.8) v1(43.85,184.8) v1(44.2,224.2) v1(44.8,173.4) v1(44.8,172.9) v1(44.8,172.4) v1(45.25,216.7) v1(45.25,201.4) v1(45.4,173.4) v1(45.4,172.9) v1(45.4,172.4) v1(45.5,222.4) v1(45.47,220.5) v1(45.5,202.75) v1(45.55,207.15) v1(45.75,216.65) v1(46.3,192.4) v1(46.3,191.4) v1(46.3,190.4) v1(46.3,189.4) v1(46.3,184.95) v1(46.8,198.75) v1(46.9,215.55) v1(46.9,214.7) v1(47.2,224.2) v1(47.4,222.4) v1(47.4,220.5) v1(47.4,218.5) v1(47.6,197.2) v1(47.7,224.2) v1(47.91,204.29) v1(48.72,208.52) v1(49.68,220.25) v1(51.3,216.05) v1(51.3,215.45) v1(51.4,207.75) v1(51.95,205.05) v1(52.7,171.65) v1(53.4,173) v1(54.6,176.6) v1(55.5,188.75) v1(55.5,188.25) v1(55.7,184.9) v1(55.75,211.7) v1(55.75,211.2) v1(55.8,168.95) v1(56,188.75) v1(56,188.25) v1(56.25,211.7) v1(56.25,211.2) v1(56.55,217.4) v1(56.55,216.9) v1(56.95,188.75) v1(56.95,188.25) v1(57.1,179.3) v1(57.1,178.7) v1(57.15,217.4) v1(57.15,216.9) v1(57.15,196.75) v1(57.45,211.7) v1(57.45,211.2) v1(57.45,188.75) v1(57.45,188.25) v1(57.6,179.3) v1(57.6,178.7) v1(57.7,184.9) v1(58.1,179.3) v1(58.1,178.7) v1(58.15,199.35) v1(60.8,187.5) v1(60.8,187) v1(60.9,190.4) v1(61.3,187.5) v1(61.3,187) v1(61.9,216.8) v1(62.4,216.8) v1(62.9,205.1) v1(62.9,202.95) v1(63.2,210.6) v1(63.2,210.1) v1(63.5,188.95) v1(63.5,188.45) v1(63.8,210.6) v1(63.8,210.1) v1(63.75,190.4) v1(64,188.95) v1(64,188.45) v1(66.05,224.6) v1(68.5,191.55) v1(68.5,191.05) v1(69.1,191.55) v1(69.1,191.05) v1(70.35,217.1) v2(19.85,181.71) v2(26,188.7) v2(44.15,204.55)
Board1_0-Net-(C104-Pad1): length 4.3
  Top w0.3: R106#3.1 44,190.91 44,190.2 44.25,189.95 Y101#3.3 45.48,190.27 C104#3.1
Board1_0-Net-(D101-A): length 1.9
  Top w0.25: D101#2.2 R102.2
